# Allegro board HB1A-AAFM.brd (continued)
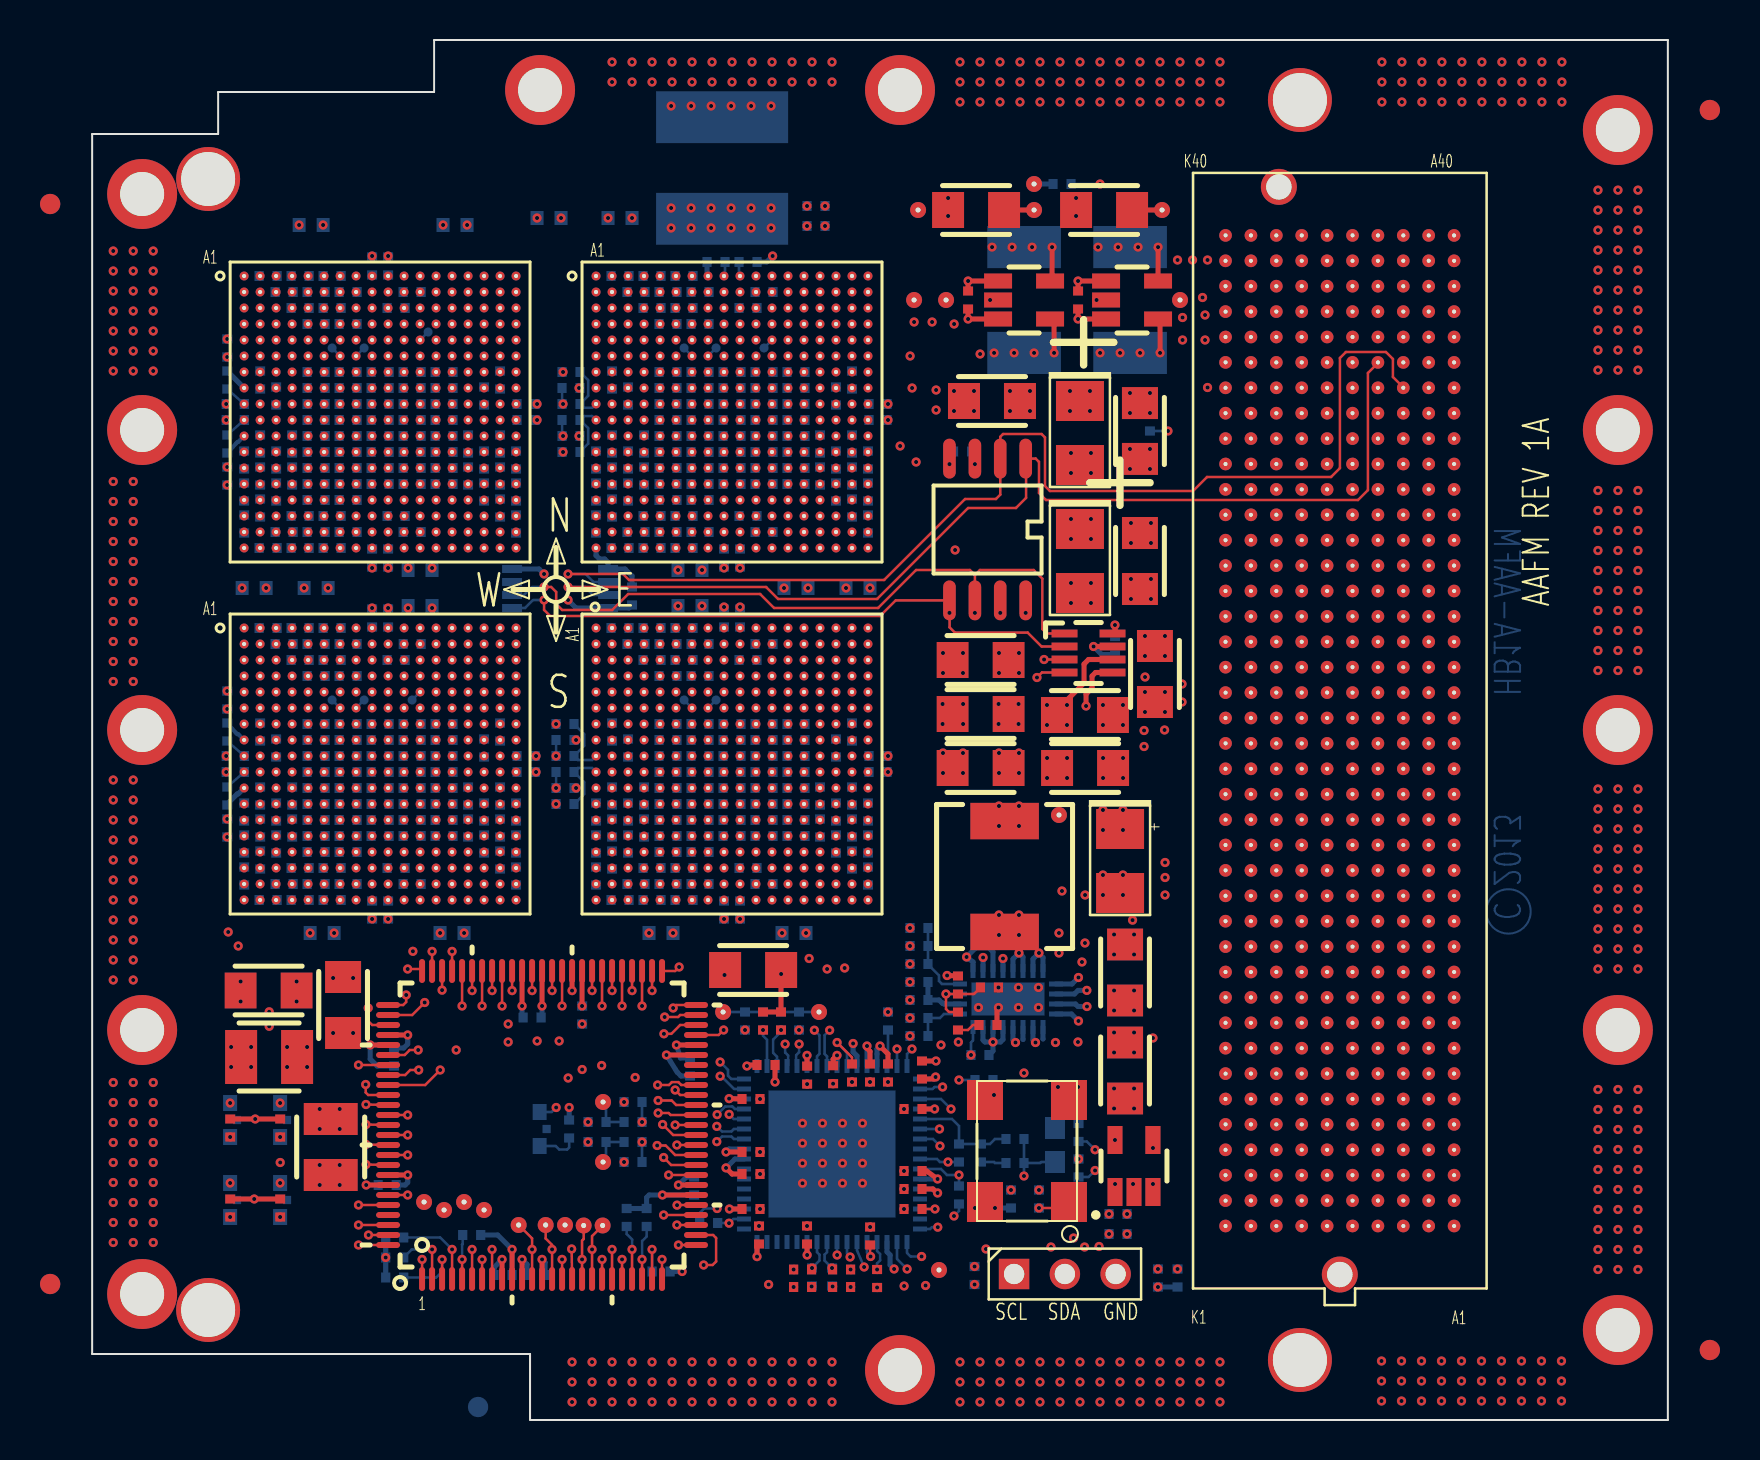
[diagram p0: board, top side]
## Routing (per net, layer and track width the routed paths; a pad name or vN(x,y) marks a point on that pad's centre or on a via; arc(x,y) is an arc through that point) (continued)
  GND_L9 w0.254: U7.V1 7.92,26.32 ; U7.V1 7.92,25.68 ; U7.V1 7.27,25.68 ; U7.V1 7.27,26.32 ; 29.67,49.67 U4.K7 ; U4.K7 29.67,50.33 ; U4.K7 30.32,50.33 ; U4.K7 30.32,49.67 ; 32.08,49.52 U4.L10 ; U4.L10 32.08,48.88 ; U4.L10 32.72,48.88 ; U4.L10 32.72,49.52 ; 56.29,12.63 P1.K3 ; P1.K3 57.07,11.85 ; P1.K3 57.07,12.63 ; P1.K3 56.29,11.85 ; 34.47,46.48 U4.P13 ; U4.P13 34.47,47.12 ; U4.P13 35.12,47.12 ; U4.P13 35.12,46.48 ; 17.67,31.27 U7.L14 ; U7.L14 18.32,31.93 ; U7.L14 18.32,31.27 ; U7.L14 17.67,31.93 ; 37.67,56.08 U4.B17 ; U4.B17 37.67,56.73 ; U4.B17 38.33,56.08 ; U4.B17 38.33,56.73 ; 33.67,50.48 U4.J12 ; U4.J12 34.33,51.12 ; U4.J12 33.67,51.12 ; U4.J12 34.33,50.48 ; 34.47,28.88 U8.P13 ; U8.P13 35.12,29.52 ; U8.P13 34.47,29.52 ; U8.P13 35.12,28.88 ; P1.K30 57.07,46.14 ; P1.K30 56.29,46.14 ; P1.K30 57.07,46.92 ; P1.K30 56.29,46.92 ; 35.27,33.52 U8.J14 ; U8.J14 35.27,32.88 ; U8.J14 35.92,33.52 ; U8.J14 35.92,32.88 ; P1.C8 65.96,18.98 ; P1.C8 65.18,18.2 ; P1.C8 65.18,18.98 ; P1.C8 65.96,18.2 ; 56.29,20.25 P1.K9 ; P1.K9 56.29,19.47 ; P1.K9 57.07,20.25 ; P1.K9 57.07,19.47 ; U8.P9 31.92,28.88 ; U8.P9 31.27,28.88 ; U8.P9 31.27,29.52 ; U8.P9 31.92,29.52 ; U4.M9 31.92,48.08 ; U4.M9 31.27,48.73 ; U4.M9 31.27,48.08 ; U4.M9 31.92,48.73 ; U4.J8 31.12,50.48 ; U4.J8 31.12,51.12 ; U4.J8 30.47,51.12 ; U4.J8 30.47,50.48 ; 32.08,47.92 U4.N10 ; U4.N10 32.72,47.27 ; U4.N10 32.72,47.92 ; U4.N10 32.08,47.27 ; 28.07,51.92 U4.H5 ; U4.H5 28.72,51.27 ; U4.H5 28.72,51.92 ; U4.H5 28.07,51.27 ; P1.H30 59.61,46.92 ; P1.H30 58.83,46.92 ; P1.H30 58.83,46.14 ; P1.H30 59.61,46.14 ; 14.48,48.88 U3.L10 ; U3.L10 14.48,49.52 ; U3.L10 15.12,48.88 ; U3.L10 15.12,49.52 ; U8.P7 30.32,28.88 ; U8.P7 29.67,28.88 ; U8.P7 30.32,29.52 ; U8.P7 29.67,29.52 ; U3.V18 21.52,43.27 ; U3.V18 21.52,43.92 ; U3.V18 20.88,43.92 ; U3.V18 20.88,43.27 ; 15.27,26.32 U7.V11 ; U7.V11 15.92,25.68 ; U7.V11 15.92,26.32 ; U7.V11 15.27,25.68 ; 57.56,9.31 P1.J1 ; P1.J1 58.34,10.09 ; P1.J1 57.56,10.09 ; P1.J1 58.34,9.31 ; 32.88,39.27 U8.A11 ; U8.A11 33.52,39.27 ; U8.A11 33.52,39.92 ; U8.A11 32.88,39.92 ; U3.D4 10.32,55.12 ; U3.D4 10.32,54.48 ; U3.D4 9.67,55.12 ; U3.D4 9.67,54.48 ; P1.E5 63.42,14.39 ; P1.E5 63.42,15.17 ; P1.E5 62.64,14.39 ; P1.E5 62.64,15.17 ; 11.27,35.27 U7.F6 ; U7.F6 11.92,35.92 ; U7.F6 11.92,35.27 ; U7.F6 11.27,35.92 ; U7.M13 17.52,30.48 ; U7.M13 16.88,30.48 ; U7.M13 17.52,31.12 ; U7.M13 16.88,31.12 ; 28.88,34.48 U8.G6 ; U8.G6 28.88,35.12 ; U8.G6 29.52,35.12 ; U8.G6 29.52,34.48 ; U3.C3 9.52,55.92 ; U3.C3 8.88,55.92 ; U3.C3 9.52,55.27 ; U3.C3 8.88,55.27 ; U3.N14 18.32,47.27 ; U3.N14 17.67,47.92 ; U3.N14 17.67,47.27 ; U3.N14 18.32,47.92 ; U7.C16 19.92,37.67 ; U7.C16 19.27,38.33 ; U7.C16 19.92,38.33 ; U7.C16 19.27,37.67 ; U4.G8 31.12,52.73 ; U4.G8 30.47,52.73 ; U4.G8 30.47,52.08 ; U4.G8 31.12,52.08 ; 12.07,51.92 U3.H7 ; U3.H7 12.73,51.92 ; U3.H7 12.07,51.27 ; U3.H7 12.73,51.27 ; 67.72,13.12 P1.A4 ; P1.A4 68.5,13.9 ; P1.A4 68.5,13.12 ; P1.A4 67.72,13.9 ; 58.83,11.36 P1.H2 ; P1.H2 58.83,10.58 ; P1.H2 59.61,10.58 ; P1.H2 59.61,11.36 ; 27.27,28.73 U8.R4 ; U8.R4 27.92,28.07 ; U8.R4 27.92,28.73 ; U8.R4 27.27,28.07 ; U3.P9 14.32,46.48 ; U3.P9 13.67,46.48 ; U3.P9 14.32,47.12 ; U3.P9 13.67,47.12 ; 13.67,48.08 U3.M9 ; U3.M9 14.32,48.08 ; U3.M9 13.67,48.73 ; U3.M9 14.32,48.73 ; P1.B27 67.23,43.11 ; P1.B27 66.45,43.11 ; P1.B27 66.45,42.33 ; P1.B27 67.23,42.33 ; P1.H21 59.61,34.71 ; P1.H21 58.83,34.71 ; P1.H21 59.61,35.49 ; P1.H21 58.83,35.49 ; 8.88,45.52 U3.T3 ; U3.T3 9.52,45.52 ; U3.T3 9.52,44.88 ; U3.T3 8.88,44.88 ; P1.E17 63.42,29.63 ; P1.E17 62.64,29.63 ; P1.E17 63.42,30.41 ; P1.E17 62.64,30.41 ; 12.88,52.08 U3.G8 ; U3.G8 13.52,52.08 ; U3.G8 12.88,52.73 ; U3.G8 13.52,52.73 ; 28.88,35.27 U8.F6 ; U8.F6 28.88,35.92 ; U8.F6 29.52,35.92 ; U8.F6 29.52,35.27 ; 24.88,56.88 U4.A1 ; U4.A1 25.52,57.52 ; U4.A1 25.52,56.88 ; U4.A1 24.88,57.52 ; 58.83,30.9 P1.H18 ; P1.H18 58.83,31.68 ; P1.H18 59.61,30.9 ; P1.H18 59.61,31.68 ; 36.88,38.33 U8.C16 ; U8.C16 37.52,38.33 ; U8.C16 37.52,37.67 ; U8.C16 36.88,37.67 ; U3.F6 11.92,53.52 ; U3.F6 11.27,52.88 ; U3.F6 11.27,53.52 ; U3.F6 11.92,52.88 ; P1.E1 63.42,10.09 ; P1.E1 62.64,9.31 ; P1.E1 62.64,10.09 ; P1.E1 63.42,9.31 ; P1.K21 57.07,34.71 ; P1.K21 57.07,35.49 ; P1.K21 56.29,34.71 ; P1.K21 56.29,35.49 ; 35.27,52.08 U4.G14 ; U4.G14 35.27,52.73 ; U4.G14 35.92,52.73 ; U4.G14 35.92,52.08 ; U3.E13 17.6,54.4 U3.E14 ; U3.E13 16.8,53.6 U3.F13 17.66,52.74 ; U3.E13 16.8,54.4 ; 35.27,47.27 U4.N14 ; U4.N14 35.92,47.27 ; U4.N14 35.92,47.92 ; U4.N14 35.27,47.92 ; 16.07,31.27 U7.L12 ; U7.L12 16.73,31.93 ; U7.L12 16.07,31.93 ; U7.L12 16.73,31.27 ; 61.37,11.85 P1.F3 ; P1.F3 62.15,12.63 ; P1.F3 62.15,11.85 ; P1.F3 61.37,12.63 ; U7.L18 21.52,31.27 ; U7.L18 20.88,31.93 ; U7.L18 21.52,31.93 ; U7.L18 20.88,31.27 ; 58.83,27.09 P1.H15 ; P1.H15 59.61,27.87 ; P1.H15 58.83,27.87 ; P1.H15 59.61,27.09 ; U4.L1 25.52,48.88 ; U4.L1 24.88,48.88 ; U4.L1 24.88,49.52 ; U4.L1 25.52,49.52 ; 16.88,32.08 U7.K13 ; U7.K13 17.52,32.08 ; U7.K13 16.88,32.73 ; U7.K13 17.52,32.73 ; 33.67,29.68 U8.N12 ; U8.N12 34.33,30.32 ; U8.N12 33.67,30.32 ; U8.N12 34.33,29.68 ; P1.C20 65.96,33.44 ; P1.C20 65.18,34.22 ; P1.C20 65.18,33.44 ; P1.C20 65.96,34.22 ; 29.67,32.08 U8.K7 ; U8.K7 29.67,32.73 ; U8.K7 30.32,32.73 ; U8.K7 30.32,32.08 ; 26.48,37.67 U8.C3 ; U8.C3 27.12,37.67 ; U8.C3 26.48,38.33 ; U8.C3 27.12,38.33 ; P1.B7 67.23,17.71 ; P1.B7 67.23,16.93 ; P1.B7 66.45,16.93 ; P1.B7 66.45,17.71 ; 32.08,51.12 U4.J10 ; U4.J10 32.08,50.48 ; U4.J10 32.72,51.12 ; U4.J10 32.72,50.48 ; U4.U17 38.33,44.08 ; U4.U17 37.67,44.08 ; U4.U17 37.67,44.73 ; U4.U17 38.33,44.73 ; 62.64,52.49 P1.E35 ; P1.E35 63.42,53.27 ; P1.E35 63.42,52.49 ; P1.E35 62.64,53.27 ; U4.L14 35.92,48.88 ; U4.L14 35.27,48.88 ; U4.L14 35.92,49.52 ; U4.L14 35.27,49.52 ; 65.18,39.79 P1.C25 ; P1.C25 65.96,39.79 ; P1.C25 65.18,40.57 ; P1.C25 65.96,40.57 ; 31.27,31.12 U8.M9 ; U8.M9 31.92,30.48 ; U8.M9 31.27,30.48 ; U8.M9 31.92,31.12 ; U8.L8 31.12,31.93 ; U8.L8 31.12,31.27 ; U8.L8 30.47,31.27 ; U8.L8 30.47,31.93 ; 67.72,45.65 P1.A29 ; P1.A29 68.5,45.65 ; P1.A29 68.5,44.87 ; P1.A29 67.72,44.87 ; P1.F12 62.15,24.06 ; P1.F12 61.37,24.06 ; P1.F12 61.37,23.28 ; P1.F12 62.15,23.28 ; U7.E13 17.52,36.08 ; U7.E13 17.52,36.73 ; U7.E13 16.88,36.73 ; U7.E13 16.88,36.08 ; 58.83,20.25 P1.H9 ; P1.H9 59.61,20.25 ; P1.H9 59.61,19.47 ; P1.H9 58.83,19.47 ; 60.1,52.49 P1.G35 ; P1.G35 60.88,52.49 ; P1.G35 60.1,53.27 ; P1.G35 60.88,53.27 ; U3.C16 19.92,55.27 ; U3.C16 19.92,55.92 ; U3.C16 19.27,55.27 ; U3.C16 19.27,55.92 ; U3.H5 11.12,51.27 ; U3.H5 11.12,51.92 ; U3.H5 10.48,51.92 ; U3.H5 10.48,51.27 ; 12.88,47.27 U3.N8 ; U3.N8 13.52,47.92 ; U3.N8 12.88,47.92 ; U3.N8 13.52,47.27 ; 36.88,55.27 U4.C16 ; U4.C16 36.88,55.92 ; U4.C16 37.52,55.27 ; U4.C16 37.52,55.92 ; U7.E6 11.92,36.73 ; U7.E6 11.92,36.08 ; U7.E6 11.27,36.73 ; U7.E6 11.27,36.08 ; P1.H24 59.61,38.52 ; P1.H24 58.83,38.52 ; P1.H24 59.61,39.3 ; P1.H24 58.83,39.3 ; U3.N10 15.12,47.27 ; U3.N10 15.12,47.92 ; U3.N10 14.48,47.92 ; U3.N10 14.48,47.27 ; U4.F13 35.12,53.52 ; U4.F13 34.47,53.52 ; U4.F13 35.12,52.88 ; U4.F13 34.47,52.88 ; 37.67,26.48 U8.U17 ; U8.U17 38.33,26.48 ; U8.U17 38.33,27.12 ; U8.U17 37.67,27.12 ; P1.D22 64.69,36.76 ; P1.D22 64.69,35.98 ; P1.D22 63.91,35.98 ; P1.D22 63.91,36.76 ; U4.C3 27.12,55.27 ; U4.C3 26.48,55.27 ; U4.C3 27.12,55.92 ; U4.C3 26.48,55.92 ; P1.G38 60.88,56.3 ; P1.G38 60.88,57.08 ; P1.G38 60.1,57.08 ; P1.G38 60.1,56.3 ; P1.J8 58.34,18.98 ; P1.J8 58.34,18.2 ; P1.J8 57.56,18.98 ; P1.J8 57.56,18.2 ; U7.D15 19.12,37.52 ; U7.D15 19.12,36.88 ; U7.D15 18.48,36.88 ; U7.D15 18.48,37.52 ; P1.A12 68.5,23.28 ; P1.A12 67.72,23.28 ; P1.A12 68.5,24.06 ; P1.A12 67.72,24.06 ; 29.67,48.08 U4.M7 ; U4.M7 29.67,48.73 ; U4.M7 30.32,48.08 ; U4.M7 30.32,48.73 ; U3.D15 19.12,55.12 ; U3.D15 18.48,55.12 ; U3.D15 19.12,54.48 ; U3.D15 18.48,54.48 ; 67.72,19.47 P1.A9 ; P1.A9 68.5,20.25 ; P1.A9 68.5,19.47 ; P1.A9 67.72,20.25 ; 57.56,29.63 P1.J17 ; P1.J17 58.34,29.63 ; P1.J17 58.34,30.41 ; P1.J17 57.56,30.41 ; U7.J10 15.12,33.52 ; U7.J10 14.48,32.88 ; U7.J10 15.12,32.88 ; U7.J10 14.48,33.52 ; U3.V1 7.92,43.27 ; U3.V1 7.27,43.27 ; U3.V1 7.27,43.92 ; U3.V1 7.92,43.92 ; 27.27,55.12 U4.D4 ; U4.D4 27.27,54.48 ; U4.D4 27.92,55.12 ; U4.D4 27.92,54.48 ; U7.C3 9.52,37.67 ; U7.C3 8.88,38.33 ; U7.C3 9.52,38.33 ; U7.C3 8.88,37.67 ; 57.56,34.22 P1.J20 ; P1.J20 57.56,33.44 ; P1.J20 58.34,34.22 ; P1.J20 58.34,33.44 ; 36.08,55.12 U4.D15 ; U4.D15 36.08,54.48 ; U4.D15 36.72,54.48 ; U4.D15 36.72,55.12 ; 32.88,50.33 U4.K11 ; U4.K11 33.52,49.67 ; U4.K11 32.88,49.67 ; U4.K11 33.52,50.33 ; 38.47,56.88 U4.A18 ; U4.A18 39.12,56.88 ; U4.A18 39.12,57.52 ; U4.A18 38.47,57.52 ; U8.M11 33.52,31.12 ; U8.M11 32.88,31.12 ; U8.M11 32.88,30.48 ; U8.M11 33.52,30.48 ; 15.27,31.12 U7.M11 ; U7.M11 15.92,30.48 ; U7.M11 15.27,30.48 ; U7.M11 15.92,31.12 ; 12.88,39.27 U7.A8 ; U7.A8 13.52,39.27 ; U7.A8 12.88,39.92 ; U7.A8 13.52,39.92 ; 57.56,41.06 P1.J26 ; P1.J26 58.34,41.06 ; P1.J26 57.56,41.84 ; P1.J26 58.34,41.84 ; 57.56,56.3 P1.J38 ; P1.J38 58.34,57.08 ; P1.J38 58.34,56.3 ; P1.J38 57.56,57.08 ; U8.H9 31.92,34.33 ; U8.H9 31.27,34.33 ; U8.H9 31.92,33.67 ; U8.H9 31.27,33.67 ; 12.07,30.48 U7.M7 ; U7.M7 12.07,31.12 ; U7.M7 12.73,31.12 ; U7.M7 12.73,30.48 ; U4.T16 37.52,44.88 ; U4.T16 37.52,45.52 ; U4.T16 36.88,44.88 ; U4.T16 36.88,45.52 ; 66.45,41.06 P1.B26 ; P1.B26 67.23,41.84 ; P1.B26 67.23,41.06 ; P1.B26 66.45,41.84 ; 12.07,50.33 U3.K7 ; U3.K7 12.73,49.67 ; U3.K7 12.73,50.33 ; U3.K7 12.07,49.67 ; 66.45,52.49 P1.B35 ; P1.B35 66.45,53.27 ; P1.B35 67.23,52.49 ; P1.B35 67.23,53.27 ; P1.H3 59.61,11.85 ; P1.H3 59.61,12.63 ; P1.H3 58.83,12.63 ; P1.H3 58.83,11.85 ; U3.J8 13.52,51.12 ; U3.J8 12.88,51.12 ; U3.J8 13.52,50.48 ; U3.J8 12.88,50.48 ; 65.18,49.46 P1.C32 ; P1.C32 65.18,48.68 ; P1.C32 65.96,49.46 ; P1.C32 65.96,48.68 ; U4.J6 29.52,50.48 ; U4.J6 28.88,51.12 ; U4.J6 29.52,51.12 ; U4.J6 28.88,50.48 ; U8.L12 34.33,31.93 ; U8.L12 33.67,31.93 ; U8.L12 34.33,31.27 ; U8.L12 33.67,31.27 ; 10.48,30.48 U7.M5 ; U7.M5 11.12,31.12 ; U7.M5 10.48,31.12 ; U7.M5 11.12,30.48 ; P1.C9 65.96,20.25 ; P1.C9 65.18,20.25 ; P1.C9 65.18,19.47 ; P1.C9 65.96,19.47 ; U4.H13 35.12,51.27 ; U4.H13 34.47,51.92 ; U4.H13 34.47,51.27 ; U4.H13 35.12,51.92 ; U3.B2 8.73,56.08 ; U3.B2 8.07,56.08 ; U3.B2 8.73,56.73 ; U3.B2 8.07,56.73 ; U8.K11 33.52,32.08 ; U8.K11 33.52,32.73 ; U8.K11 32.88,32.08 ; U8.K11 32.88,32.73 ; P1.A17 68.5,29.63 ; P1.A17 67.72,29.63 ; P1.A17 67.72,30.41 ; P1.A17 68.5,30.41 ; P1.K18 57.07,30.9 ; P1.K18 56.29,31.68 ; P1.K18 57.07,31.68 ; P1.K18 56.29,30.9 ; 16.07,34.48 U7.G12 ; U7.G12 16.07,35.12 ; U7.G12 16.73,34.48 ; U7.G12 16.73,35.12 ; 63.91,11.85 P1.D3 ; P1.D3 64.69,12.63 ; P1.D3 63.91,12.63 ; P1.D3 64.69,11.85 ; P1.A13 68.5,25.33 ; P1.A13 67.72,25.33 ; P1.A13 68.5,24.55 ; P1.A13 67.72,24.55 ; P1.E40 63.42,58.84 ; P1.E40 62.64,58.84 ; P1.E40 62.64,59.62 ; P1.E40 63.42,59.62 ; U3.H9 14.32,51.27 ; U3.H9 13.67,51.92 ; U3.H9 13.67,51.27 ; U3.H9 14.32,51.92 ; 66.45,46.14 P1.B30 ; P1.B30 66.45,46.92 ; P1.B30 67.23,46.92 ; P1.B30 67.23,46.14 ; U7.G6 11.92,35.12 ; U7.G6 11.27,35.12 ; U7.G6 11.27,34.48 ; U7.G6 11.92,34.48 ; U3.U2 8.73,44.08 ; U3.U2 8.07,44.73 ; U3.U2 8.07,44.08 ; U3.U2 8.73,44.73 ; U3.A18 21.52,56.88 ; U3.A18 20.88,56.88 ; U3.A18 21.52,57.52 ; U3.A18 20.88,57.52 ; 67.72,34.22 P1.A20 ; P1.A20 68.5,34.22 ; P1.A20 68.5,33.44 ; P1.A20 67.72,33.44 ; 63.91,16.93 P1.D7 ; P1.D7 64.69,16.93 ; P1.D7 63.91,17.71 ; P1.D7 64.69,17.71 ; U7.B17 20.73,39.12 ; U7.B17 20.07,39.12 ; U7.B17 20.07,38.48 ; U7.B17 20.73,38.48 ; U4.P9 31.92,47.12 ; U4.P9 31.27,47.12 ; U4.P9 31.92,46.48 ; U4.P9 31.27,46.48 ; 28.88,49.52 U4.L6 ; U4.L6 28.88,48.88 ; U4.L6 29.52,49.52 ; U4.L6 29.52,48.88 ; P1.H6 59.61,15.66 ; P1.H6 58.83,15.66 ; P1.H6 59.61,16.44 ; P1.H6 58.83,16.44 ; U7.M9 14.32,31.12 ; U7.M9 13.67,31.12 ; U7.M9 14.32,30.48 ; U7.M9 13.67,30.48 ; U3.P11 15.92,46.48 ; U3.P11 15.92,47.12 ; U3.P11 15.27,46.48 ; U3.P11 15.27,47.12 ; P1.E4 63.42,13.12 ; P1.E4 62.64,13.9 ; P1.E4 63.42,13.9 ; P1.E4 62.64,13.12 ; 28.07,28.88 U8.P5 ; U8.P5 28.72,28.88 ; U8.P5 28.72,29.52 ; U8.P5 28.07,29.52 ; P1.B2 67.23,11.36 ; P1.B2 66.45,10.58 ; P1.B2 67.23,10.58 ; P1.B2 66.45,11.36 ; U7.P5 11.12,28.88 ; U7.P5 11.12,29.52 ; U7.P5 10.48,28.88 ; U7.P5 10.48,29.52 ; 30.47,43.27 U4.V8 ; U4.V8 30.47,43.92 ; U4.V8 31.12,43.92 ; U4.V8 31.12,43.27 ; P1.F9 62.15,19.47 ; P1.F9 62.15,20.25 ; P1.F9 61.37,19.47 ; P1.F9 61.37,20.25 ; P1.F15 62.15,27.09 ; P1.F15 61.37,27.09 ; P1.F15 61.37,27.87 ; P1.F15 62.15,27.87 ; U8.M5 28.72,31.12 ; U8.M5 28.07,30.48 ; U8.M5 28.72,30.48 ; U8.M5 28.07,31.12 ; P1.G26 60.88,41.84 ; P1.G26 60.1,41.06 ; P1.G26 60.1,41.84 ; P1.G26 60.88,41.06 ; U7.P13 17.52,28.88 ; U7.P13 16.88,29.52 ; U7.P13 17.52,29.52 ; U7.P13 16.88,28.88 ; U3.M7 12.73,48.73 ; U3.M7 12.07,48.73 ; U3.M7 12.07,48.08 ; U3.M7 12.73,48.08 ; U7.G8 13.52,34.48 ; U7.G8 13.52,35.12 ; U7.G8 12.88,34.48 ; U7.G8 12.88,35.12 ; U3.P13 17.52,47.12 ; U3.P13 17.52,46.48 ; U3.P13 16.88,47.12 ; U3.P13 16.88,46.48 ; P1.B31 67.23,48.19 ; P1.B31 67.23,47.41 ; P1.B31 66.45,47.41 ; P1.B31 66.45,48.19 ; 20.88,39.92 U7.A18 ; U7.A18 21.52,39.92 ; U7.A18 20.88,39.27 ; U7.A18 21.52,39.27 ; 30.47,25.68 U8.V8 ; U8.V8 31.12,26.32 ; U8.V8 31.12,25.68 ; U8.V8 30.47,26.32 ; U4.J14 35.92,50.48 ; U4.J14 35.92,51.12 ; U4.J14 35.27,50.48 ; U4.J14 35.27,51.12 ; U3.G6 11.92,52.73 ; U3.G6 11.27,52.08 ; U3.G6 11.92,52.08 ; U3.G6 11.27,52.73 ; P1.C33 65.96,50.73 ; P1.C33 65.18,49.95 ; P1.C33 65.18,50.73 ; P1.C33 65.96,49.95 ; P1.G14 60.88,25.82 ; P1.G14 60.1,26.6 ; P1.G14 60.88,26.6 ; P1.G14 60.1,25.82 ; 67.72,29.14 P1.A16 ; P1.A16 67.72,28.36 ; P1.A16 68.5,28.36 ; P1.A16 68.5,29.14 ; 28.88,32.88 U8.J6 ; U8.J6 29.52,33.52 ; U8.J6 29.52,32.88 ; U8.J6 28.88,33.52 ; U3.F5 11.12,53.52 ; U3.F5 10.48,53.52 ; U3.F5 11.12,52.88 ; U3.F5 10.48,52.88 ; 30.47,48.88 U4.L8 ; U4.L8 30.47,49.52 ; U4.L8 31.12,48.88 ; U4.L8 31.12,49.52 ; 40.86,60.05 TP9.1 ; TP9.1 41.75,60.05 ; TP9.1 40.86,60.95 ; TP9.1 41.75,60.95 ; P1.C13 65.96,25.33 ; P1.C13 65.18,24.55 ; P1.C13 65.18,25.33 ; P1.C13 65.96,24.55 ; 56.29,42.33 P1.K27 ; P1.K27 56.29,43.11 ; P1.K27 57.07,42.33 ; P1.K27 57.07,43.11 ; 18.34,52.74 18.34,52.86 U3.F14 18.4,53.6 U3.E14 ; U8.R15 36.72,28.73 ; U8.R15 36.08,28.07 ; U8.R15 36.08,28.73 ; U8.R15 36.72,28.07 ; U8.E5 28.72,36.08 ; U8.E5 28.07,36.08 ; U8.E5 28.72,36.73 ; U8.E5 28.07,36.73 ; 34.47,54.33 U4.E13 ; U4.E13 35.12,53.67 ; U4.E13 35.12,54.33 ; U4.E13 34.47,53.67 ; 61.37,54.54 P1.F36 ; P1.F36 62.15,53.76 ; P1.F36 61.37,53.76 ; P1.F36 62.15,54.54 ; 12.07,32.08 U7.K7 ; U7.K7 12.73,32.08 ; U7.K7 12.07,32.73 ; U7.K7 12.73,32.73 ; U3.L12 16.73,49.52 ; U3.L12 16.73,48.88 ; U3.L12 16.07,49.52 ; U3.L12 16.07,48.88 ; 35.27,36.08 U8.E14 ; U8.E14 35.27,36.73 ; U8.E14 35.92,36.73 ; U8.E14 35.92,36.08 ; 67.72,55.03 P1.A37 ; P1.A37 68.5,55.81 ; P1.A37 67.72,55.81 ; P1.A37 68.5,55.03 ; P1.A24 68.5,39.3 ; P1.A24 67.72,38.52 ; P1.A24 67.72,39.3 ; P1.A24 68.5,38.52 ; U8.F13 35.12,35.27 ; U8.F13 35.12,35.92 ; U8.F13 34.47,35.92 ; U8.F13 34.47,35.27 ; P1.J23 58.34,38.03 ; P1.J23 57.56,38.03 ; P1.J23 57.56,37.25 ; P1.J23 58.34,37.25 ; P1.C38 65.96,56.3 ; P1.C38 65.18,57.08 ; P1.C38 65.18,56.3 ; P1.C38 65.96,57.08 ; U4.P7 30.32,47.12 ; U4.P7 29.67,46.48 ; U4.P7 30.32,46.48 ; U4.P7 29.67,47.12 ; U3.A8 13.52,56.88 ; U3.A8 13.52,57.52 ; U3.A8 12.88,56.88 ; U3.A8 12.88,57.52 ; 12.07,47.12 U3.P7 ; U3.P7 12.73,46.48 ; U3.P7 12.07,46.48 ; U3.P7 12.73,47.12 ; 61.37,50.73 P1.F33 ; P1.F33 61.37,49.95 ; P1.F33 62.15,50.73 ; P1.F33 62.15,49.95 ; 38.47,49.52 U4.L18 ; U4.L18 38.47,48.88 ; U4.L18 39.12,48.88 ; U4.L18 39.12,49.52 ; U7.P7 12.73,28.88 ; U7.P7 12.07,28.88 ; U7.P7 12.73,29.52 ; U7.P7 12.07,29.52 ; P1.J29 58.34,44.87 ; P1.J29 58.34,45.65 ; P1.J29 57.56,45.65 ; P1.J29 57.56,44.87 ; 67.72,34.71 P1.A21 ; P1.A21 68.5,35.49 ; P1.A21 67.72,35.49 ; P1.A21 68.5,34.71 ; U8.G10 32.72,35.12 ; U8.G10 32.08,34.48 ; U8.G10 32.72,34.48 ; U8.G10 32.08,35.12 ; 65.18,45.65 P1.C29 ; P1.C29 65.96,44.87 ; P1.C29 65.96,45.65 ; P1.C29 65.18,44.87 ; U7.P9 14.32,28.88 ; U7.P9 13.67,28.88 ; U7.P9 14.32,29.52 ; U7.P9 13.67,29.52 ; 12.88,25.68 U7.V8 ; U7.V8 12.88,26.32 ; U7.V8 13.52,26.32 ; U7.V8 13.52,25.68 ; P1.K2 57.07,10.58 ; P1.K2 56.29,11.36 ; P1.K2 56.29,10.58 ; P1.K2 57.07,11.36 ; 28.88,47.92 U4.N6 ; U4.N6 28.88,47.27 ; U4.N6 29.52,47.92 ; U4.N6 29.52,47.27 ; 28.07,48.08 U4.M5 ; U4.M5 28.72,48.73 ; U4.M5 28.72,48.08 ; U4.M5 28.07,48.73 ; 32.08,33.52 U8.J10 ; U8.J10 32.08,32.88 ; U8.J10 32.72,32.88 ; U8.J10 32.72,33.52 ; 36.08,46.33 U4.R15 ; U4.R15 36.72,45.67 ; U4.R15 36.72,46.33 ; U4.R15 36.08,45.67 ; P1.G17 60.88,29.63 ; P1.G17 60.1,29.63 ; P1.G17 60.88,30.41 ; P1.G17 60.1,30.41 ; U7.K9 14.32,32.08 ; U7.K9 14.32,32.73 ; U7.K9 13.67,32.08 ; U7.K9 13.67,32.73 ; 7.27,39.92 U7.A1 ; U7.A1 7.92,39.27 ; U7.A1 7.27,39.27 ; U7.A1 7.92,39.92 ; U4.F14 35.92,53.52 ; U4.F14 35.27,52.88 ; U4.F14 35.92,52.88 ; U4.F14 35.27,53.52 ; U4.K9 31.92,49.67 ; U4.K9 31.92,50.33 ; U4.K9 31.27,49.67 ; U4.K9 31.27,50.33 ; 30.47,29.68 U8.N8 ; U8.N8 31.12,29.68 ; U8.N8 30.47,30.32 ; U8.N8 31.12,30.32 ; U3.H18 21.52,51.92 ; U3.H18 21.52,51.27 ; U3.H18 20.88,51.27 ; U3.H18 20.88,51.92 ; U7.F14 18.32,35.92 ; U7.F14 17.67,35.92 ; U7.F14 17.67,35.27 ; U7.F14 18.32,35.27 ; P1.G5 60.88,14.39 ; P1.G5 60.1,14.39 ; P1.G5 60.1,15.17 ; P1.G5 60.88,15.17 ; U8.H13 35.12,34.33 ; U8.H13 35.12,33.67 ; U8.H13 34.47,33.67 ; U8.H13 34.47,34.33 ; 65.18,23.28 P1.C12 ; P1.C12 65.18,24.06 ; P1.C12 65.96,23.28 ; P1.C12 65.96,24.06 ; P1.G11 60.88,22.79 ; P1.G11 60.1,22.79 ; P1.G11 60.88,22.01 ; P1.G11 60.1,22.01 ; U3.K5 11.12,49.67 ; U3.K5 11.12,50.33 ; U3.K5 10.48,49.67 ; U3.K5 10.48,50.33 ; P1.C40 65.96,58.84 ; P1.C40 65.18,58.84 ; P1.C40 65.18,59.62 ; P1.C40 65.96,59.62 ; 28.88,54.33 U4.E6 ; U4.E6 29.52,53.67 ; U4.E6 28.88,53.67 ; U4.E6 29.52,54.33 ; P1.C17 65.96,29.63 ; P1.C17 65.18,30.41 ; P1.C17 65.18,29.63 ; P1.C17 65.96,30.41 ; 65.18,44.38 P1.C28 ; P1.C28 65.96,43.6 ; P1.C28 65.18,43.6 ; P1.C28 65.96,44.38 ; 67.72,10.09 P1.A1 ; P1.A1 68.5,10.09 ; P1.A1 68.5,9.31 ; P1.A1 67.72,9.31 ; U3.J14 18.32,50.48 ; U3.J14 17.67,50.48 ; U3.J14 18.32,51.12 ; U3.J14 17.67,51.12 ; 29.67,34.33 U8.H7 ; U8.H7 30.32,34.33 ; U8.H7 30.32,33.67 ; U8.H7 29.67,33.67 ; U8.T3 27.12,27.93 ; U8.T3 26.48,27.93 ; U8.T3 27.12,27.27 ; U8.T3 26.48,27.27 ; 28.07,47.12 U4.P5 ; U4.P5 28.72,47.12 ; U4.P5 28.72,46.48 ; U4.P5 28.07,46.48 ; U4.V11 33.52,43.92 ; U4.V11 32.88,43.92 ; U4.V11 32.88,43.27 ; U4.V11 33.52,43.27 ; 62.64,48.68 P1.E32 ; P1.E32 63.42,49.46 ; P1.E32 63.42,48.68 ; P1.E32 62.64,49.46 ; U8.M7 30.32,31.12 ; U8.M7 29.67,31.12 ; U8.M7 29.67,30.48 ; U8.M7 30.32,30.48 ; 66.45,58.35 P1.B39 ; P1.B39 67.23,58.35 ; P1.B39 66.45,57.57 ; P1.B39 67.23,57.57 ; U8.G8 31.12,34.48 ; U8.G8 31.12,35.12 ; U8.G8 30.47,35.12 ; U8.G8 30.47,34.48 ; P1.D10 64.69,21.52 ; P1.D10 64.69,20.74 ; P1.D10 63.91,21.52 ; P1.D10 63.91,20.74 ; 14.48,52.73 U3.G10 ; U3.G10 15.12,52.73 ; U3.G10 14.48,52.08 ; U3.G10 15.12,52.08 ; 11.27,50.48 U3.J6 ; U3.J6 11.27,51.12 ; U3.J6 11.92,51.12 ; U3.J6 11.92,50.48 ; 38.47,26.32 U8.V18 ; U8.V18 38.47,25.68 ; U8.V18 39.12,26.32 ; U8.V18 39.12,25.68 ; P1.J35 58.34,53.27 ; P1.J35 58.34,52.49 ; P1.J35 57.56,52.49 ; P1.J35 57.56,53.27 ; 25.67,56.08 U4.B2 ; U4.B2 25.67,56.73 ; U4.B2 26.32,56.08 ; U4.B2 26.32,56.73 ; 17.67,33.52 U7.J14 ; U7.J14 17.67,32.88 ; U7.J14 18.32,33.52 ; U7.J14 18.32,32.88 ; 30.47,57.52 U4.A8 ; U4.A8 30.47,56.88 ; U4.A8 31.12,57.52 ; U4.A8 31.12,56.88 ; 57.56,22.01 P1.J11 ; P1.J11 58.34,22.01 ; P1.J11 58.34,22.79 ; P1.J11 57.56,22.79 ; 24.88,39.92 U8.A1 ; U8.A1 25.52,39.92 ; U8.A1 24.88,39.27 ; U8.A1 25.52,39.27 ; P1.E23 63.42,38.03 ; P1.E23 62.64,37.25 ; P1.E23 62.64,38.03 ; P1.E23 63.42,37.25 ; U7.F5 11.12,35.92 ; U7.F5 11.12,35.27 ; U7.F5 10.48,35.27 ; U7.F5 10.48,35.92 ; U8.J8 31.12,33.52 ; U8.J8 30.47,33.52 ; U8.J8 31.12,32.88 ; U8.J8 30.47,32.88 ; U7.H9 14.32,33.67 ; U7.H9 14.32,34.33 ; U7.H9 13.67,34.33 ; U7.H9 13.67,33.67 ; 25.67,39.12 U8.B2 ; U8.B2 26.32,39.12 ; U8.B2 25.67,38.48 ; U8.B2 26.32,38.48 ; P1.G1 60.88,10.09 ; P1.G1 60.88,9.31 ; P1.G1 60.1,10.09 ; P1.G1 60.1,9.31 ; 35.27,53.67 